# KiCad board Lime_RFE.kicad_pcb
title: LimeRFE; rev: 1v0; company: Lime Microsystems
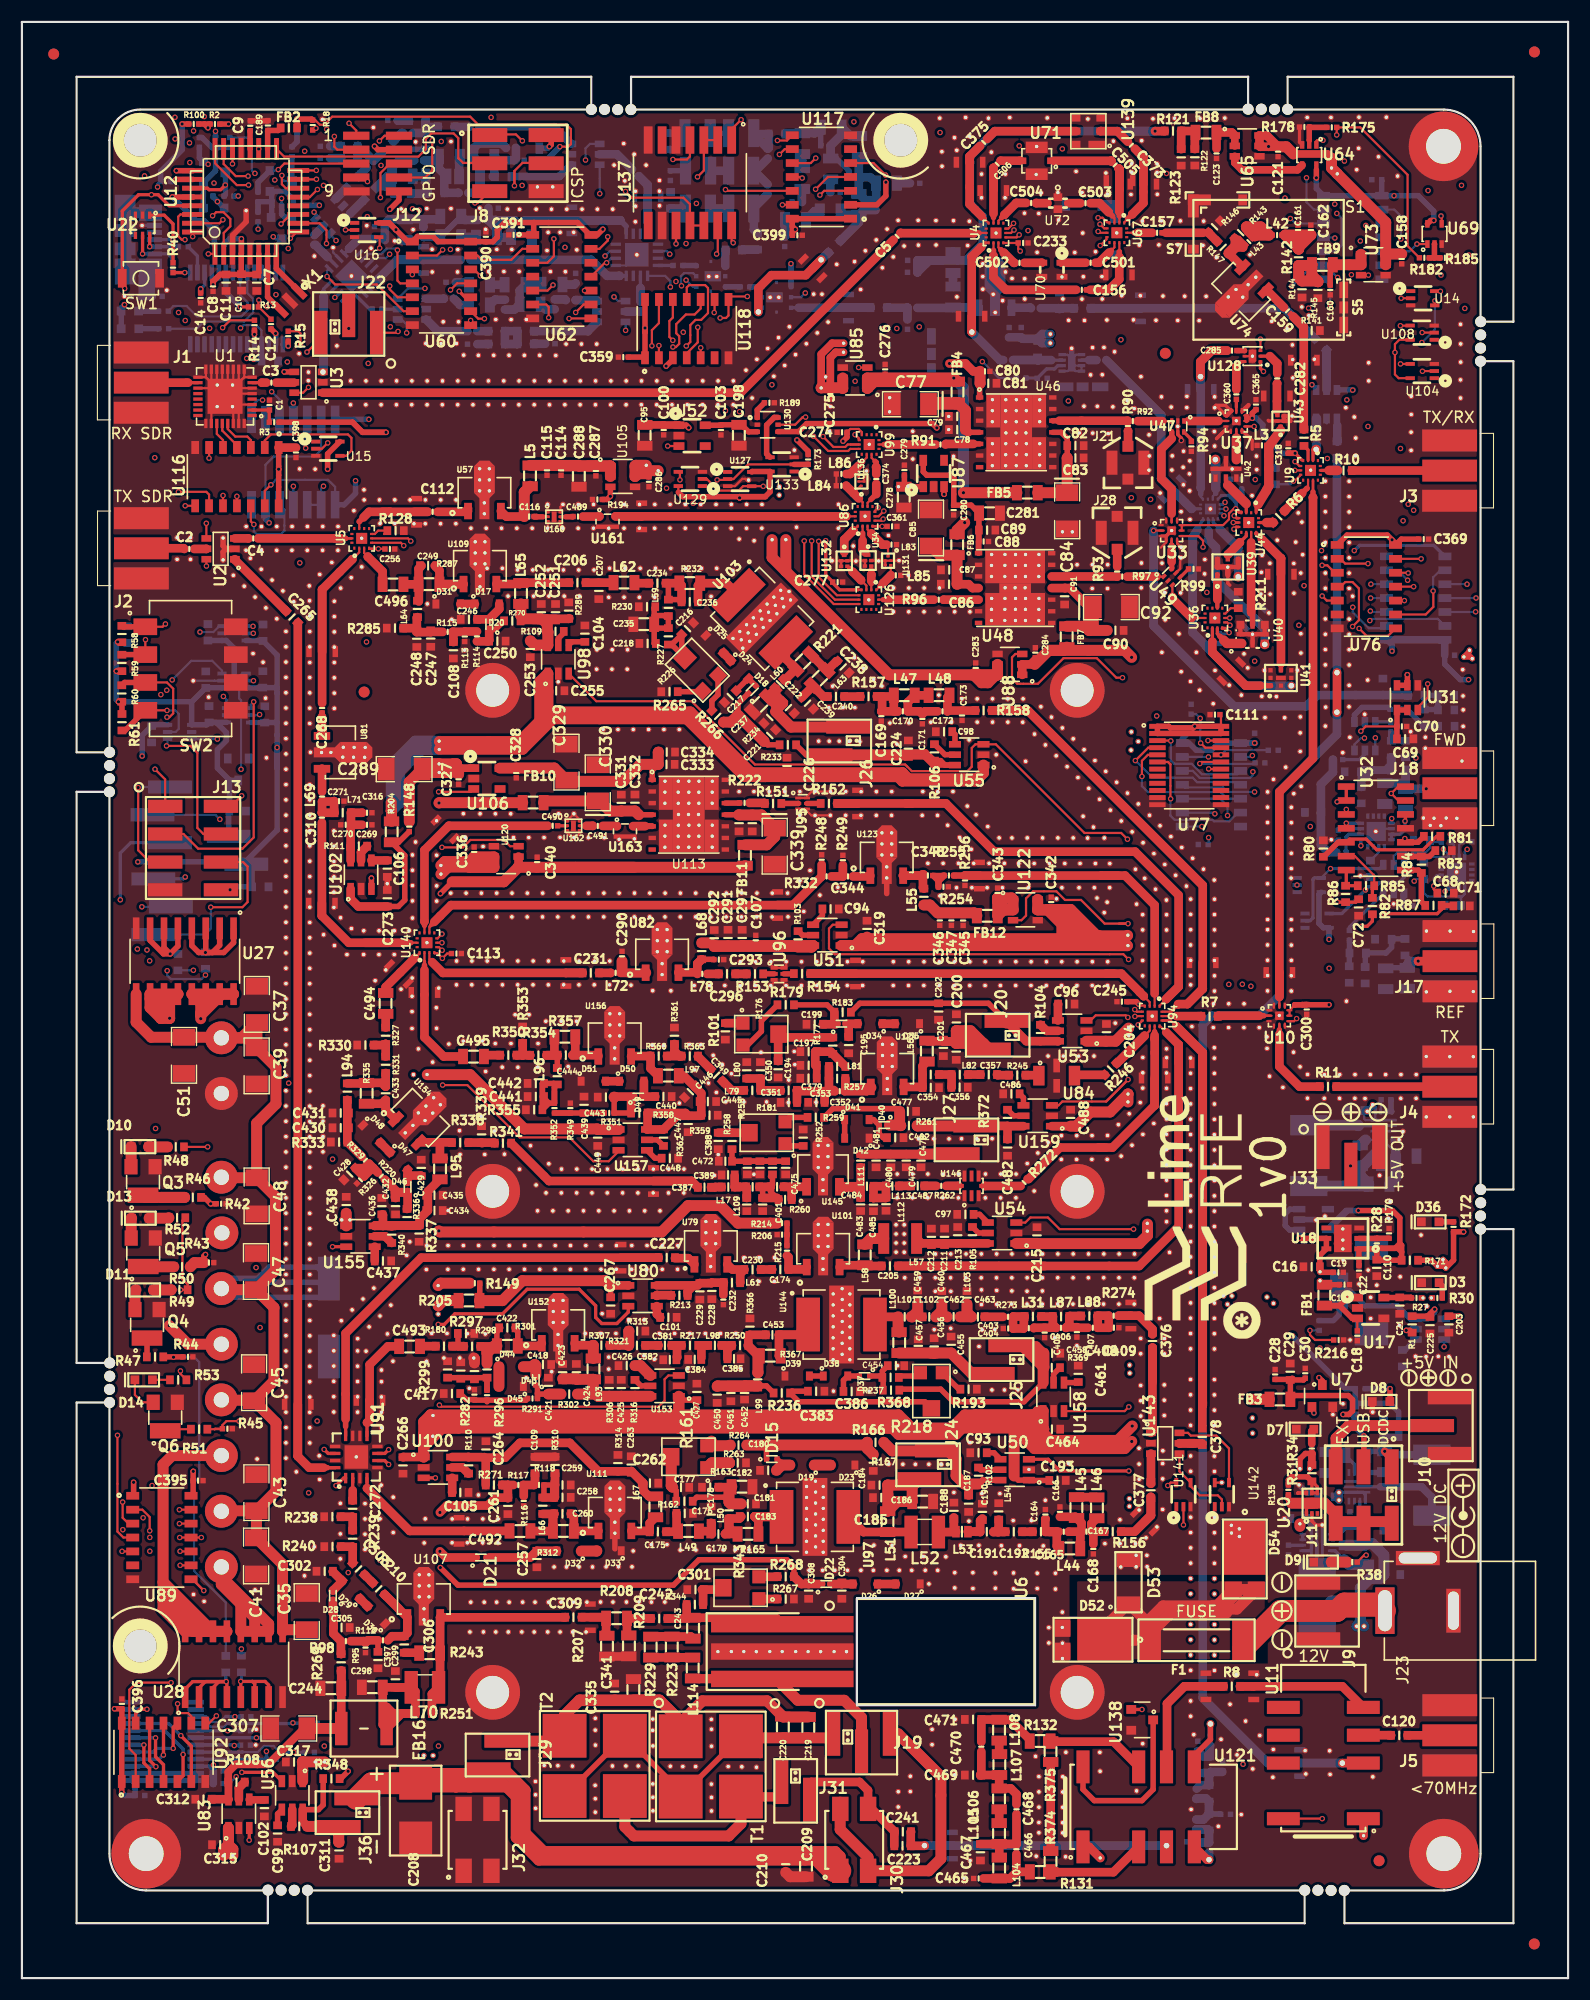
[diagram p0: board, top side]
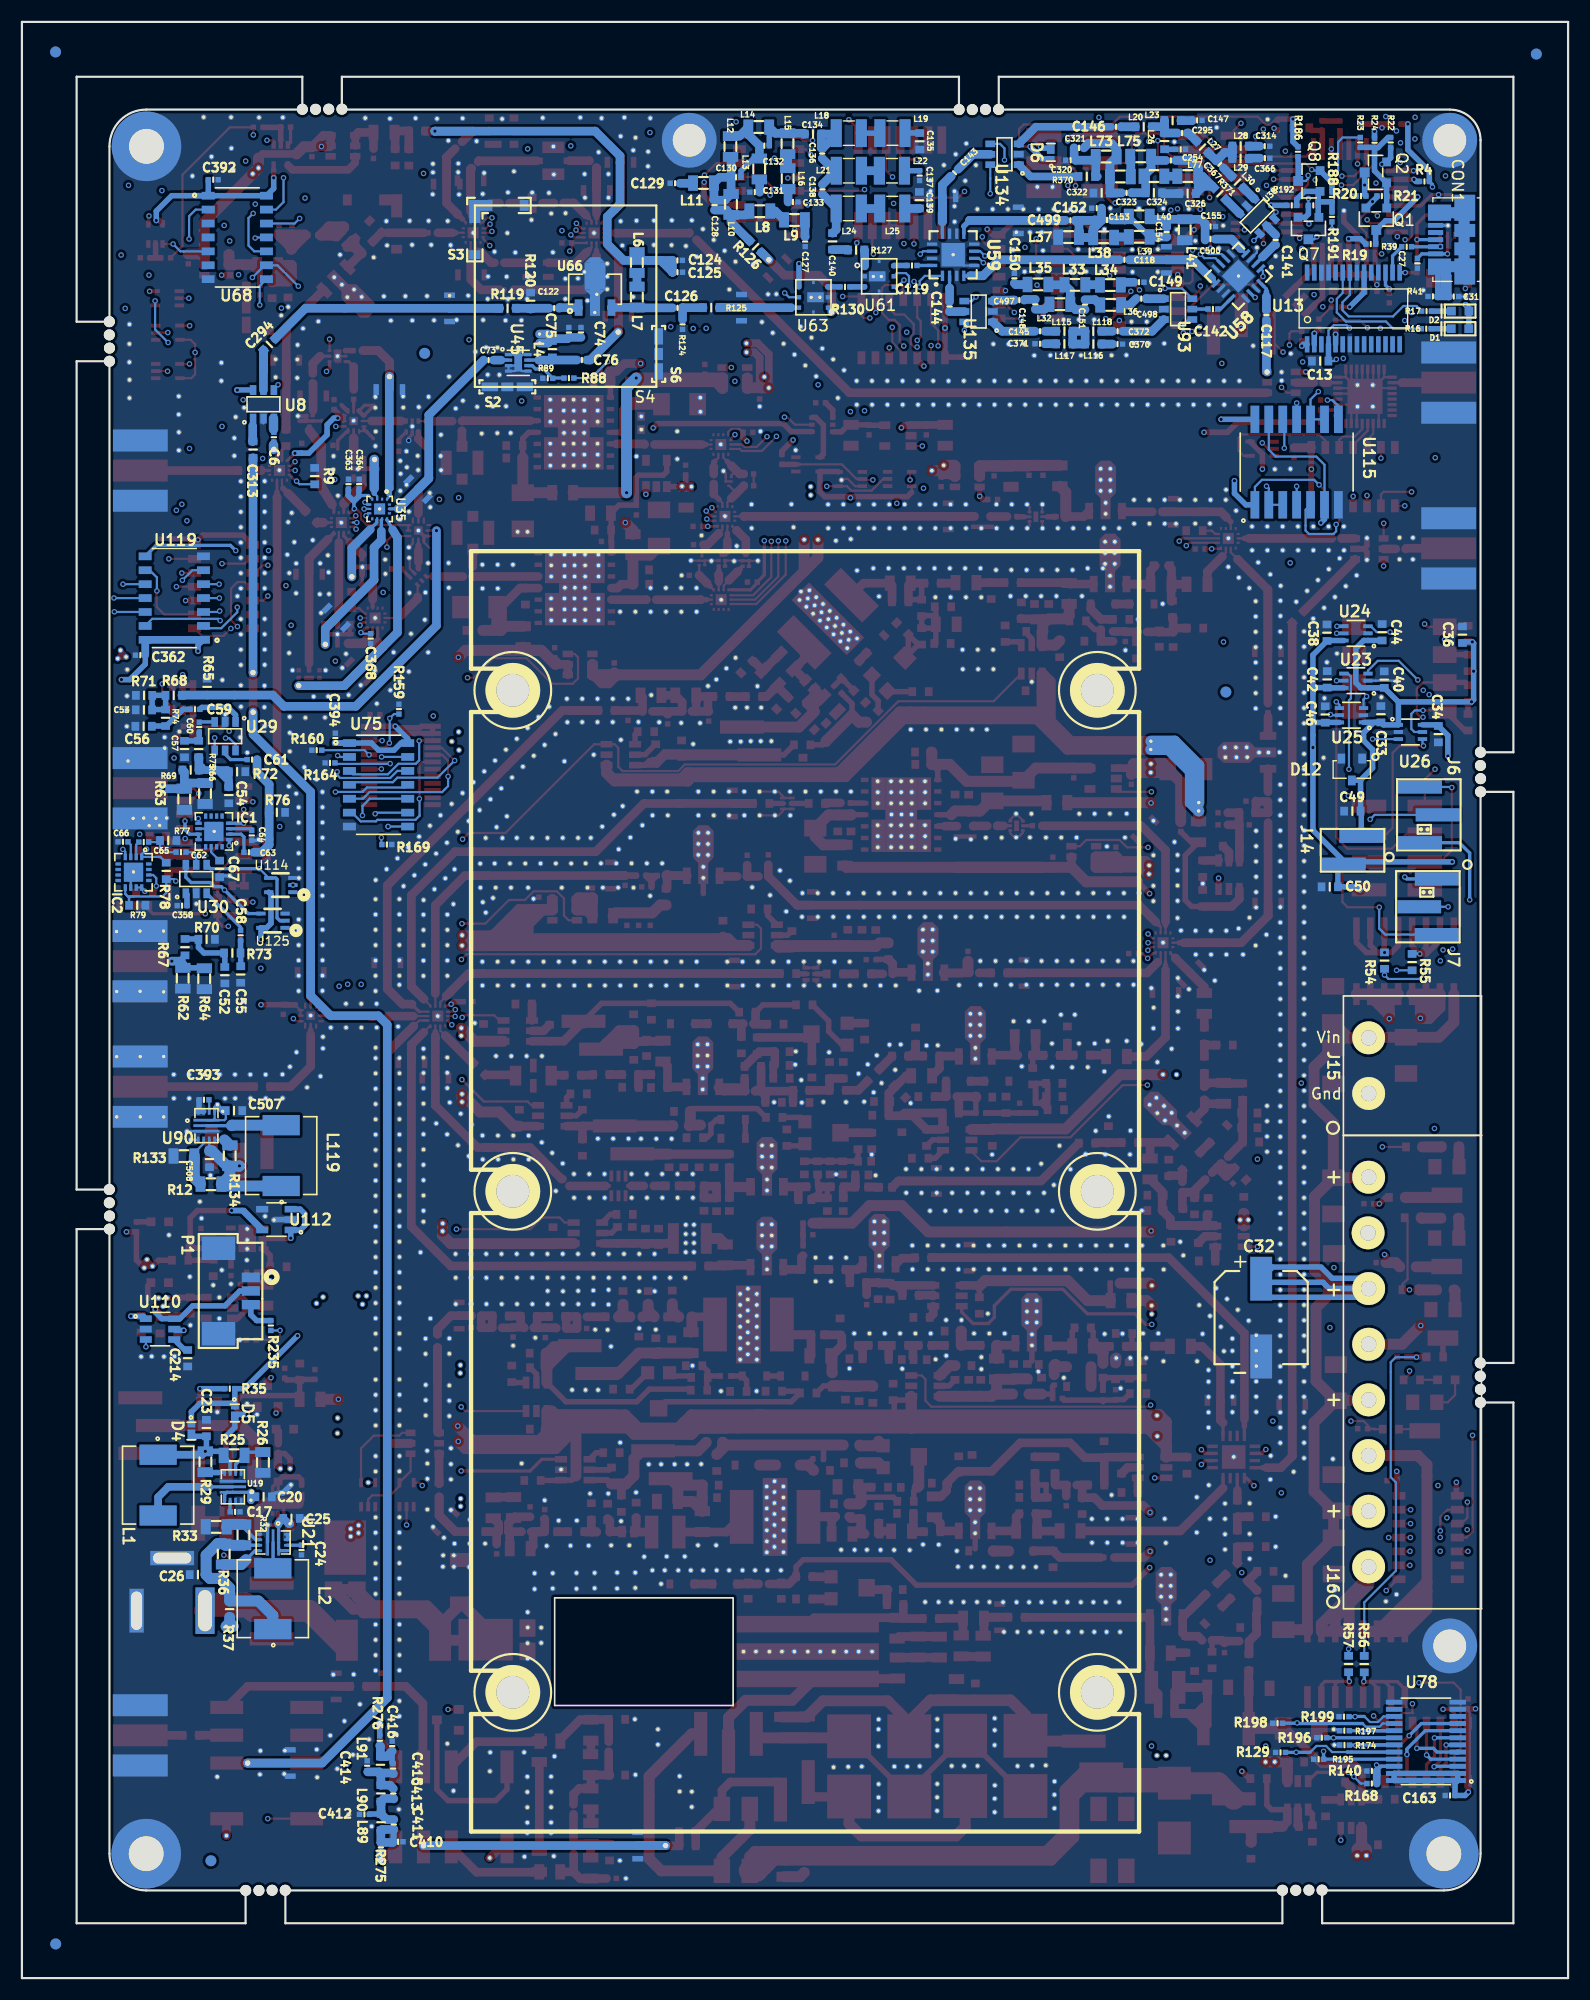
[diagram p1: board, bottom side, seen from below]

Outline 141.1 x 178.51 mm; copper layers: T, GND, SIG1, SIG2, PWR, B. Coordinates in mm from the lower left corner of the outline.
Outline path: 0.01,178.5 0,178.5 0,0 141.1,0 141.1,178.51 0,178.51 ; 7.94,56.13 4.99,56.13 4.99,108.25 7.99,108.25 7.99,56.13 ; 10.78,170.51 arc(8.81,169.69) 7.99,167.72 7.99,167.74 7.99,111.86 4.99,111.86 4.99,173.51 51.96,173.51 51.96,170.51 ; 7.99,11.38 7.99,52.58 ; 8.01,52.53 4.99,52.53 4.99,5 22.44,5 22.44,8.03 ; 10.81,170.51 51.98,170.51 51.98,170.54 ; 7.99,11.35 arc(8.97,8.98) 11.34,8 22.47,8 ; 26.07,8.03 26.07,5 117.06,5 117.06,8.03 ; 76.2,34.69 92.48,34.69 92.48,24.87 76.2,24.87 76.2,34.68 ; 111.9,170.56 111.9,173.51 55.59,173.51 55.59,170.51 111.9,170.51 111.9,170.54 ; 115.51,170.54 115.51,173.51 136.11,173.51 136.11,151.16 133.11,151.16 ; 115.51,170.51 129.76,170.51 arc(132.13,169.53) 133.11,167.16 133.11,151.16 ; 117.08,8 26.05,8 ; 120.69,8 120.69,5 136.11,5 136.11,68.35 133.11,68.35 ; 129.78,8 120.66,8 ; 133.11,151.16 133.13,151.16 ; 133.11,68.33 133.11,11.35 arc(132.13,8.98) 129.76,8 ; 133.11,147.55 133.11,71.96 136.11,71.96 136.11,147.55 133.11,147.55

## Placement (name value [footprint] x y rotation side)
BreakHole  VAL**  [BreakHole]  8.01 56.13 270 top
BreakHole#2  VAL**  [BreakHole]  8.01 54.93 270 top
BreakHole#3  VAL**  [BreakHole]  8 52.52 270 top
BreakHole#4  VAL**  [BreakHole]  8 53.72 270 top
BreakHole#5  VAL**  [BreakHole]  118.27 8.02 180 top
BreakHole#6  VAL**  [BreakHole]  117.07 8.02 180 top
BreakHole#7  VAL**  [BreakHole]  119.47 8 180 top
BreakHole#8  VAL**  [BreakHole]  120.68 8 180 top
BreakHole#9  VAL**  [BreakHole]  23.65 8.03 180 top
BreakHole#10  VAL**  [BreakHole]  22.45 8.03 180 top
BreakHole#11  VAL**  [BreakHole]  24.85 8.01 180 top
BreakHole#12  VAL**  [BreakHole]  26.06 8.01 180 top
BreakHole#13  VAL**  [BreakHole]  113.1 170.55 180 top
BreakHole#14  VAL**  [BreakHole]  111.9 170.55 180 top
BreakHole#15  VAL**  [BreakHole]  114.3 170.54 180 top
BreakHole#16  VAL**  [BreakHole]  115.51 170.54 180 top
BreakHole#17  VAL**  [BreakHole]  55.58 170.51 180 top
BreakHole#18  VAL**  [BreakHole]  54.37 170.51 180 top
BreakHole#19  VAL**  [BreakHole]  51.97 170.53 180 top
BreakHole#20  VAL**  [BreakHole]  53.17 170.53 180 top
BreakHole#21  VAL**  [BreakHole]  133.11 148.75 270 top
BreakHole#22  VAL**  [BreakHole]  133.11 147.55 270 top
BreakHole#23  VAL**  [BreakHole]  133.12 149.95 270 top
BreakHole#24  VAL**  [BreakHole]  133.12 151.16 270 top
BreakHole#25  VAL**  [BreakHole]  133.11 69.55 270 top
BreakHole#26  VAL**  [BreakHole]  133.11 68.35 270 top
BreakHole#27  VAL**  [BreakHole]  133.12 70.75 270 top
BreakHole#28  VAL**  [BreakHole]  133.12 71.96 270 top
BreakHole#29  VAL**  [BreakHole]  7.99 109.45 270 top
BreakHole#30  VAL**  [BreakHole]  7.99 108.25 270 top
BreakHole#31  VAL**  [BreakHole]  8 110.66 270 top
BreakHole#32  VAL**  [BreakHole]  8 111.86 270 top
C1  47nF_0402_GCM155R71H473KE02D  [SMD0402]  22.59 143.54 90 top
C2  47nF_0402_GCM155R71H473KE02D  [SMD0402]  15.27 130.42 180 top
C3  47nF_0402_GCM155R71H473KE02D  [SMD0402]  22.76 145.59 180 top
C4  47nF_0402_GCM155R71H473KE02D  [SMD0402]  21.11 131.38 180 top
C5  47nF_0402_GCM155R71H473KE02D  [SMD0402]  79.86 158.95 225 top
C6  47nF_0402_GCM155R71H473KE02D  [SMD0402]  118.1 140.62 90 bottom
C7  1uF_0603_TMK107BJ105KA-T  [SMD0603]  21.43 154.71 270 top
C8  4.7uF_0402_GRM155R60J475ME87D  [SMD0402]  17.44 154.37 270 top
C9  100nF_0402_GRM155R71C104KA88J  [SMD0402]  20.84 169.03 270 top
C10  1uF_0603_TMK107BJ105KA-T  [SMD0603]  20.04 154.74 270 top
C11  1uF_0603_TMK107BJ105KA-T  [SMD0603]  18.63 154.71 270 top
C12  100nF_0402_GRM155R71C104KA88J  [SMD0402]  22.73 150.93 270 top
C13  1uF_0603_TMK107BJ105KA-T  [SMD0603]  22.62 147.56 0 bottom
C14  100nF_0402_GRM155R71C104KA88J  [SMD0402]  16.31 153.32 270 top
C15  1uF_0402_CC0402ZRY5V5BB105  [SMD0402]  120.69 63.29 0 top
C16  10uF_0603_GRM188R61E106KA73J  [SMD0603]  117.7 64.91 180 top
C17  2.2nF_0402_GRM155R71E222KA01D  [SMD0402]  121.64 42.55 180 bottom
C18  1uF_0402_CC0402ZRY5V5BB105  [SMD0402]  121.86 58.61 270 top
C19  0.1uF_0402_Murata  [SMD0402]  120.13 64.4 0 top
C20  10uF_0603_GRM188R61E106KA73J  [SMD0603]  119.04 43.92 0 bottom
C21  10uF_0603_GRM188R61E106KA73J  [SMD0603]  125.74 61.37 90 top
C22  0.1uF_0402_Murata  [SMD0402]  122.01 64.56 270 top
C23  10uF_0603_GRM188R61E106KA73J  [SMD0603]  124.26 50.19 270 bottom
C24  2.2nF_0402_GRM155R71E222KA01D  [SMD0402]  115.58 39.07 270 bottom
C25  10uF_0603_GRM188R61E106KA73J  [SMD0603]  116.5 41.95 0 bottom
C26  10uF_0603_GRM188R61E106KA73J  [SMD0603]  125.03 36.82 180 bottom
C27  100nF_0402_GRM155R71C104KA88J  [SMD0402]  13.75 156.48 270 bottom
C28  100nF_0402_GRM155R71C104KA88J  [SMD0402]  114.36 55.08 90 top
C29  10uF_0603_GRM188R61E106KA73J  [SMD0603]  115.74 55.33 90 top
C30  1uF_0402_CC0402ZRY5V5BB105  [SMD0402]  117.11 55.19 90 top
C31  3.9nF_0402_04025C392JAT2A  [SMD0402]  10.43 153.45 180 bottom
C32  100uF_25V_EEE-1EA101UP  [EEE-HC1E101P]  28.01 60.27 0 bottom
C33  1uF_0603_TMK107BJ105KA-T  [SMD0603]  17.08 115.33 90 bottom
C34  1uF_0603_TMK107BJ105KA-T  [SMD0603]  11.84 113.52 270 bottom
C35  C1206C104K5RAC7800  [SMD1206]  25.99 33.44 90 top
C36  1uF_0603_TMK107BJ105KA-T  [SMD0603]  9.64 122.59 90 bottom
C37  C1206C104K5RAC7800  [SMD1206]  21.44 88.85 90 top
C38  1uF_0603_TMK107BJ105KA-T  [SMD0603]  22 122.77 90 bottom
C39  C1206C104K5RAC7800  [SMD1206]  21.42 83.24 270 top
C40  1uF_0603_TMK107BJ105KA-T  [SMD0603]  16.78 118.49 90 bottom
C41  C1206C104K5RAC7800  [SMD1206]  21.37 38.52 270 top
C42  1uF_0603_TMK107BJ105KA-T  [SMD0603]  21.98 118.51 90 bottom
C43  C1206C104K5RAC7800  [SMD1206]  21.4 44.29 90 top
C44  1uF_0603_TMK107BJ105KA-T  [SMD0603]  16.97 122.81 90 bottom
C45  C1206C104K5RAC7800  [SMD1206]  21.19 54.33 90 top
C46  1uF_0603_TMK107BJ105KA-T  [SMD0603]  22.16 115.31 90 bottom
C47  C1206C104K5RAC7800  [SMD1206]  21.36 64.47 90 top
C48  C1206C104K5RAC7800  [SMD1206]  21.42 71.38 270 top
C49  1uF_0603_TMK107BJ105KA-T  [SMD0603]  19.69 106.49 0 bottom
C50  1uF_0603_TMK107BJ105KA-T  [SMD0603]  21.75 99.58 0 bottom
C51  C1206C104K5RAC7800  [SMD1206]  14.79 84.2 270 top
C52  NF_0603  [SMD0603]  122.58 91.52 270 bottom
C53  NF_0603  [SMD0603]  129.96 115.73 0 bottom
C54  NF_0603  [SMD0603]  122.22 107.96 270 bottom
C55  NF_0603  [SMD0603]  121.13 91.58 270 bottom
C56  NF_0603  [SMD0603]  129.99 114.24 0 bottom
C57  NF_0603  [SMD0603]  126.26 112.16 270 bottom
C58  1uF_0402_GCM155C71A105KE38D  [SMD0402]  121.14 95.16 90 bottom
C59  47nF_0402_GCM155R71H473KE02D  [SMD0402]  125.3 115.78 180 bottom
C60  1uF_0402_GCM155C71A105KE38D  [SMD0402]  124.92 114.16 90 bottom
C61  47nF_0402_GCM155R71H473KE02D  [SMD0402]  120.09 111.2 180 bottom
C62  47nF_0402_GCM155R71H473KE02D  [SMD0402]  126.58 102.74 0 bottom
C63  47nF_0402_GCM155R71H473KE02D  [SMD0402]  120.38 102.74 0 bottom
C64  47nF_0402_GCM155R71H473KE02D  [SMD0402]  120.12 104.28 90 bottom
C65  47nF_0402_GCM155R71H473KE02D  [SMD0402]  129.98 103.67 0 bottom
C66  47nF_0402_GCM155R71H473KE02D  [SMD0402]  131.87 103.69 180 bottom
C67  1nF_0603_Murata  [SMD0603]  123.06 101.23 90 bottom
C68  1nF_0603_Murata  [SMD0603]  129.92 99.01 180 top
C69  10uF_0603_GRM188R61E106KA73J  [SMD0603]  126.23 113.09 0 top
C70  0.1uF_0402_Murata  [SMD0402]  125.93 114.22 0 top
C71  NF_0603  [SMD0603]  131.38 97.85 0 top
C72  NF_0603  [SMD0603]  121.98 97.7 270 top
C73  0.1uF_0402_Murata  [SMD0402]  98.51 147.65 180 bottom
C74  1uF_0402_GCM155C71A105KE38D  [SMD0402]  90.08 150.17 90 bottom
C75  0.1uF_0402_Murata  [SMD0402]  91.18 150.17 90 bottom
C76  0.1uF_0402_Murata  [SMD0402]  90 147.66 180 bottom
C77  10uF_1206_Tantalum_Kemet  [SMD1206_TANTAL]  81.08 143.63 180 top
C78  0.1uF_0603_Murata  [SMD0603]  85.35 141.31 180 top
C79  1nF_0603_Murata_GCJ  [SMD0603]  85.35 142.51 180 top
C80  0.01uF_0603_Murata  [SMD0402]  87.89 146.62 0 top
C81  100pF_0603_Murata_GCM  [SMD0603]  88.19 145.54 0 top
C82  1nF_0603_Murata_GCJ  [SMD0603]  96.14 139.85 0 top
C83  0.1uF_0603_Murata  [SMD0603]  96.14 138.72 0 top
C84  10uF_1206_Tantalum_Kemet  [SMD1206_TANTAL]  95.39 133.9 270 top
C85  10uF_1206_Tantalum_Kemet  [SMD1206_TANTAL]  82.96 132.33 90 top
C86  0.1uF_0603_Murata  [SMD0603]  84.61 127.2 180 top
C87  1nF_0603_Murata_GCJ  [SMD0603]  84.62 128.51 180 top
C88  0.01uF_0603_Murata  [SMD0402]  87.76 131.1 0 top
C89  100pF_0603_Murata_GCM  [SMD0603]  88.08 132.14 0 top
C90  1nF_0603_Murata_GCJ  [SMD0603]  99.79 122.98 0 top
C91  0.1uF_0603_Murata  [SMD0603]  95.15 126.1 270 top
C92  10uF_1206_Tantalum_Kemet  [SMD1206_TANTAL]  99.42 125.11 0 top
C93  1nF_0603_06035C102KAT2A  [SMD0603]  87.3 47.94 180 top
C94  1nF_0603_06035C102KAT2A  [SMD0603]  73.8 97.56 0 top
C95  10uF_0805_25V_Taiyo  [SMD0805]  56.84 140.79 270 top
C96  1nF_0603_06035C102KAT2A  [SMD0603]  95.31 88.88 0 top
C97  1nF_0603_06035C102KAT2A  [SMD0603]  86.1 69.69 180 top
C98  1nF_0603_06035C102KAT2A  [SMD0603]  84.15 113.74 180 top
C99  1nF_0603_06035C102KAT2A  [SMD0603]  23.33 13.19 270 top
C100  0.1uF_0402_Murata  [SMD0402]  58.57 141.27 270 top
C101  1nF_0603_06035C102KAT2A  [SMD0603]  59 60.29 0 top
C102  1nF_0603_06035C102KAT2A  [SMD0603]  22.13 15.51 270 top
C103  0.1uF_0402_Murata  [SMD0402]  63.79 141.27 270 top
C104  1nF_0603_06035C102KAT2A  [SMD0603]  51.37 122.69 90 top
C105  1nF_0603_06035C102KAT2A  [SMD0603]  40.01 44.31 0 top
C106  1nF_0603_06035C102KAT2A  [SMD0603]  33.35 101.24 270 top
C107  100nF_0402_GRM155R71C104KA88J  [SMD0402]  66.97 94.71 90 top
C108  100nF_0603_C0603C104M5RACTU  [SMD0603]  39.38 121.17 270 top
C109  100nF_0603_C0603C104M5RACTU  [SMD0603]  46.82 46.81 90 top
C110  10uF_0603_GRM188R61E106KA73J  [SMD0603]  123.64 64.81 270 top
C111  100nF_0402_GRM155R71C104KA88J  [SMD0402]  108.88 115.3 0 top
C112  1000pF_0402_Murata  [SMD0402]  37.48 133.81 0 top
C113  100pF_0402_GCM1555C1H101JA16D  [SMD0402]  39.65 93.5 0 top
C114  1000pF_0402_Murata  [SMD0402]  49.2 137.59 270 top
C115  100pF_0402_Murata  [SMD0402]  47.92 137.59 270 top
C116  1000pF_0402_Murata  [SMD0402]  46.29 133.37 0 top
C117  47nF_0402_GCM155R71H473KE02D  [SMD0402]  27.53 151.76 270 bottom
C118  1uF_0402_GCM155C71A105KE38D  [SMD0402]  40.49 156.8 0 bottom
C119  1uF_0402_GCM155C71A105KE38D  [SMD0402]  59.87 156.29 180 bottom
C120  1uF_0603_Yageo  [SMD0603]  125.69 22.15 180 top
C121  100nF_0402_GRM155R71C104KA88J  [SMD0402]  114.63 166.67 270 top
C122  1uF_0402_GCM155C71A105KE38D  [SMD0402]  92.53 152.39 0 bottom
C123  100nF_0402_GRM155R71C104KA88J  [SMD0402]  109.02 166.5 270 top
C124  1uF_0402_GCM155C71A105KE38D  [SMD0402]  81.28 156.75 0 bottom
C125  100nF_0402_GRM155R71C104KA88J  [SMD0402]  81.27 155.67 0 bottom
C126  1uF_0402_GCM155C71A105KE38D  [SMD0402]  81.27 152.42 0 bottom
C127  15pF_0402_GJM1555C1H150FB01D  [SMD0402]  69.62 158.46 270 bottom
C128  56pF_0402_GRM1555C1H560GA01D  [SMD0402]  77.9 161.79 270 bottom
C129  27pF_0402_04025U270GAT2A  [SMD0402]  81.49 163.79 0 bottom
C130  51pF_0402_GRM1555C1H510JA01D  [SMD0402]  75.93 164.34 0 bottom
C131  27pF_0402_04025U270GAT2A  [SMD0402]  74.22 162.98 0 bottom
C132  56pF_0402_GRM1555C1H560GA01D  [SMD0402]  73.35 167.22 0 bottom
C133  15pF_0402_GJM1555C1H150FB01D  [SMD0402]  70.73 162.08 180 bottom
C134  2200pF_0603_GRM1885C1H222GA01D  [SMD0603]  68.9 168.28 0 bottom
C135  4700pF_0603_GRM1887U1H472JA01D  [SMD0603]  59.17 167.62 270 bottom
C136  1000pF_0402_GRM1555C1H102GA01D  [SMD0402]  68.06 166.5 90 bottom
C137  3300pF_0402_GRM155R71H332JA01D  [SMD0402]  59.18 164.49 270 bottom
C138  1000pF_0402_GRM1555C1H102GA01D  [SMD0402]  68.04 163.24 90 bottom
C139  15000pF_0603_06035C153KAT2A  [SMD0603]  59.2 162.25 90 bottom
C140  1500pF_0603_GRM1885C1H152JA01D  [SMD0603]  67.12 158.48 90 bottom
C141  1uF_0402_GCM155C71A105KE38D  [SMD0402]  26.69 158.61 90 bottom
C142  1uF_0402_GCM155C71A105KE38D  [SMD0402]  32.41 152.31 0 bottom
C143  1uF_0402_GCM155C71A105KE38D  [SMD0402]  55.99 164.75 315 bottom
C144  1uF_0402_GCM155C71A105KE38D  [SMD0402]  56.44 152.54 90 bottom
C145  100nF_0402_CC0402ZRY5V7BB104  [SMD0402]  48.19 150.29 180 bottom
C146  33pF_0402_GCM1555C1H330FA16J  [SMD0402]  41.25 168.94 0 bottom
C147  120pF_0402_GCM1555C1H121FA16D  [SMD0402]  33.85 169.52 180 bottom
C148  3.6pF_0402_GJM1555C1H3R6WB01D  [SMD0402]  48.62 152.74 90 bottom
C149  43pF_0402_GRM1555C1H430GA01D  [SMD0402]  39.15 154.76 180 bottom
C150  22pF_0402_GCM1555C1H220GA16D  [SMD0402]  50.53 155.12 90 bottom
C151  3.6pF_0402_GJM1555C1H3R6WB01D  [SMD0402]  44.08 152.72 270 bottom
C152  33pF_0402_GRM1555C1H330GA01J  [SMD0402]  43.02 161.52 0 bottom
C153  6.2pF_0402_GRM1555C1H6R2CA01D  [SMD0402]  42.08 160.44 0 bottom
C154  3pF_0402_GJM1555C1H3R0BB01D  [SMD0402]  36.63 159.34 270 bottom
C155  33pF_0402_GRM1555C1H330GA01J  [SMD0402]  32.62 159.84 180 bottom
C156  1000pF_0402_GRM1555C1H102GA01D  [SMD0402]  96.72 154.06 180 top
C157  1000pF_0402_GRM1555C1H102GA01D  [SMD0402]  103.59 159.27 0 top
C158  100nF_0402_GRM155R71C104KA88J  [SMD0402]  125.92 156.88 270 top
C159  1000pF_0402_GRM1555C1H102GA01D  [SMD0402]  115.49 152.15 315 top
C160  100nF_0402_GRM155R71C104KA88J  [SMD0402]  119.39 154.05 270 top
C161  100nF_0402_GRM155R71C104KA88J  [SMD0402]  116.45 159.52 270 top
C162  30pF_0402_GJM1555C1H300FB01D  [SMD0402]  117.63 159.52 270 top
C163  100nF_0402_GRM155R71C104KA88J  [SMD0402]  10.77 16.66 180 bottom
C164  7pF_0402_GJM1555C1H7R0WB01D  [SMD0402]  93.4 42.3 90 top
C165  12pF_0402_GCQ1555C1H120GB01D  [SMD0402]  95.08 40.73 180 top
C166  20pF_0402_GJM1555C1H200FB01D  [SMD0402]  94.73 42.55 90 top
C167  3.6pF_0402_GJM1555C1H3R6WB01D  [SMD0402]  97.15 40.74 180 top
C168  12pF_0402_GCQ1555C1H120GB01D  [SMD0402]  97.77 39.16 270 top
C169  3pF_0402_GJM1555C1H3R0BB01D  [SMD0402]  78.42 115.16 270 top
C170  4.7pF_0402_GJM1555C1H4R7CB01D  [SMD0402]  80.39 115.6 180 top
C171  8pF_0402_GCM1555C1H8R0BA16D  [SMD0402]  82.17 114.9 270 top
C172  1.5pF_0402_GJM1555C1H1R5CB01D  [SMD0402]  84.01 115.6 180 top
C173  4.7pF_0402_GJM1555C1H4R7CB01D  [SMD0402]  85.79 115.22 270 top
C174  100pF_0603_GRM1885C1H101JA01J  [SMD0603]  69.21 64.67 180 top
C175  82pF_0603_GRM1885C1H820JA01D  [SMD0603]  58.03 40.73 180 top
C176  15pF_0603_C0603C150J5GACTU  [SMD0603]  60.49 42.41 0 top
C177  100nF_0603_C0603C104M5RACTU  [SMD0603]  60.14 44.78 180 top
C178  10pF_0603_GRM1885C1H100JA01J  [SMD0603]  62.89 42.29 90 top
C179  27pF_0603_C0603C270J5GAC  [SMD0603]  63.56 40.53 180 top
C180  100nF_0603_C0603C104M5RACTU  [SMD0603]  68.11 46.33 180 top
C181  100pF_0603_GRM1885C2A101JA01D  [SMD0603]  66.24 43.28 0 top
C182  470nF_0805  [SMD0805]  65.71 44.83 180 top
C183  47pF_0603_GRM1885C2A470JA01J  [SMD0603]  66.25 42.12 180 top
C184  100nF_0603_C0603C104M5RACTU  [SMD0603]  77.69 47.03 270 top
C185  100pF_0603_GRM1885C2A101JA01D  [SMD0603]  78.42 43.84 0 top
C186  470nF_0805  [SMD0805]  82.2 43.49 0 top
C187  1nF_0603_06035C102KAT2A  [SMD0603]  86.4 43.29 270 top
C188  68pF_0603_GRM1885C1H680JA01D  [SMD0603]  85.05 42.64 90 top
C189  100nF_0402_GRM155R71C104KA88J  [SMD0402]  22.45 169.05 270 top
C190  39pF_0603_GRM1885C1H390JA01D  [SMD0603]  87.65 42.54 90 top
C191  68pF_0603_GRM1885C1H680JA01D  [SMD0603]  88.05 40.73 0 top
C192  1500pF_0603_GRM1885C1H152JA01D  [SMD0603]  90.52 40.73 180 top
C193  1uF_0603_TMK107BJ105KA-T  [SMD0603]  94.51 45.41 180 top
C194  100nF_0603_C0603C104M5RACTU  [SMD0603]  69.01 82.93 90 top
C195  100nF_0603_C0603C104M5RACTU  [SMD0603]  75.45 85.14 270 top
C196  100pF_0603_GRM1885C2A101JA01D  [SMD0603]  71.8 83.29 180 top
C197  27pF_0603_C0603C270J5GAC  [SMD0603]  71.8 84.54 180 top
C198  10uF_0805_25V_Taiyo  [SMD0805]  65.44 140.79 270 top
C199  100nF_0603_C0603C104M5RACTU  [SMD0603]  72.35 87.04 180 top
C200  100pF_0603_GRM1885C2A101JA01D  [SMD0603]  85.28 87.2 270 top
C201  27pF_0603_C0603C270J5GAC  [SMD0603]  84.09 84.89 90 top
C202  1nF_0603_06035C102KAT2A  [SMD0603]  83.65 88.2 270 top
C203  1uF_0603_TMK107BJ105KA-T  [SMD0603]  130.22 59.65 90 top
C204  1uF_0603_TMK107BJ105KA-T  [SMD0603]  98.97 86.32 270 top
C205  100pF_0603_GRM1885C1H101JA01J  [SMD0603]  79.21 64.98 180 top
C206  15pF_0603_KEMET  [SMD0603]  50.7 127.34 180 top
C207  15pF_0603_KEMET  [SMD0603]  52.65 126.59 270 top
C208  100uF_25V_Tantalum_AVX  [TAJE107M025SNJV]  35.93 15.28 270 top
C209  1uF_0805  [SMD0805]  71.54 10.2 90 top
C210  100nF_0603_C0603C104M5RACTU  [SMD0603]  69.7 10.39 90 top
C211  100pF_0603_GRM1885C2A101JA01D  [SMD0603]  84.2 67.64 270 top
C212  27pF_0603_C0603C270J5GAC  [SMD0603]  83 67.64 270 top
C213  1nF_0603_06035C102KAT2A  [SMD0603]  85.4 67.79 90 top
C214  1nF_0603_06035C102KAT2A  [SMD0603]  125.97 56.57 270 bottom
C215  1uF_0603_TMK107BJ105KA-T  [SMD0603]  92.63 67.78 270 top
C216  100nF_0603_C0603C104M5RACTU  [SMD0603]  60.75 123.14 225 top
C217  100nF_0603_C0603C104M5RACTU  [SMD0603]  64.65 116.94 225 top
C218  100pF_0603_GRM1885C2A101JA01D  [SMD0603]  57.1 121.79 180 top
C219  91pF_0805  [SMD0805]  71.75 22.87 90 top
C220  91pF_0805  [SMD0805]  69.43 22.91 90 top
C221  100nF_0603_C0603C104M5RACTU  [SMD0603]  68.25 113.39 45 top
C222  100pF_0603_GRM1885C2A101JA01D  [SMD0603]  69.95 115.94 135 top
C223  100nF_0603_C0603C104M5RACTU  [SMD0603]  80.36 12.07 180 top
C224  1nF_0603_06035C102KAT2A  [SMD0603]  80.9 112.19 90 top
C225  1nF_0603_06035C102KAT2A  [SMD0603]  128.49 59.58 270 top
C226  1uF_0603_TMK107BJ105KA-T  [SMD0603]  69.82 110.62 270 top
C227  100pF_0603_GRM1885C1H101JA01J  [SMD0603]  58.85 65.74 180 top
C228  1nF_0603_06035C102KAT2A  [SMD0603]  62.96 62.71 270 top
C229  100pF_0603_GRM1885C1H101JA01J  [SMD0603]  61.87 62.67 270 top
C230  100pF_0603_GRM1885C1H101JA01J  [SMD0603]  66.67 64.66 180 top
C231  18pF_0603_GRM1885C1H180JA01J  [SMD0603]  51.92 91.73 180 top
C232  100nF_0402_GRM155R71C104KA88J  [SMD0402]  64.01 61.91 270 top
C233  100pF_0402_GCM1555C1H101JA16D  [SMD0402]  91.37 158.34 0 top
C234  100pF_0603_Murata2  [SMD0603]  58 127.29 180 top
C235  470nF_0805  [SMD0805]  56.75 123.54 180 top
C236  47pF_0603_KEMET  [SMD0603]  60.95 125.59 180 top
C237  470nF_0805  [SMD0805]  67.35 116.24 45 top
C238  27pF_0603_C0603C270J5GAC  [SMD0603]  74.95 119.64 315 top
C239  15pF_0603_KEMET  [SMD0603]  71.7 116.34 315 top
C240  15pF_0603_KEMET  [SMD0603]  74.29 116.95 180 top
C241  100nF_0603_C0603C104M5RACTU  [SMD0603]  80.39 13.35 180 top
C242  100nF_0603_C0603C104M5RACTU  [SMD0603]  58.15 32.81 180 top
C243  100nF_0805_08055C104KAT2A  [SMD0805]  61.24 31.93 90 top
C244  1uF_0805  [SMD0805]  28.19 26.44 180 top
C245  100pF_0402_GCM1555C1H101JA16D  [SMD0402]  100.38 89.1 180 top
C246  100nF_0603_C0603C104M5RACTU  [SMD0603]  40.8 123.99 180 top
C247  100pF_0603_GRM1885C2A101JA01D  [SMD0603]  37.3 122.24 270 top
C248  27pF_0603_C0603C270J5GAC  [SMD0603]  36.04 122.22 270 top
C249  47pF_0603_GRM1885C2A470JA01J  [SMD0603]  37.07 128.88 180 top
C250  100nF_0603_C0603C104M5RACTU  [SMD0603]  43.39 122 0 top